# Altium PCB FPGA_Module.PcbDoc (part 3 of 6) (continued)
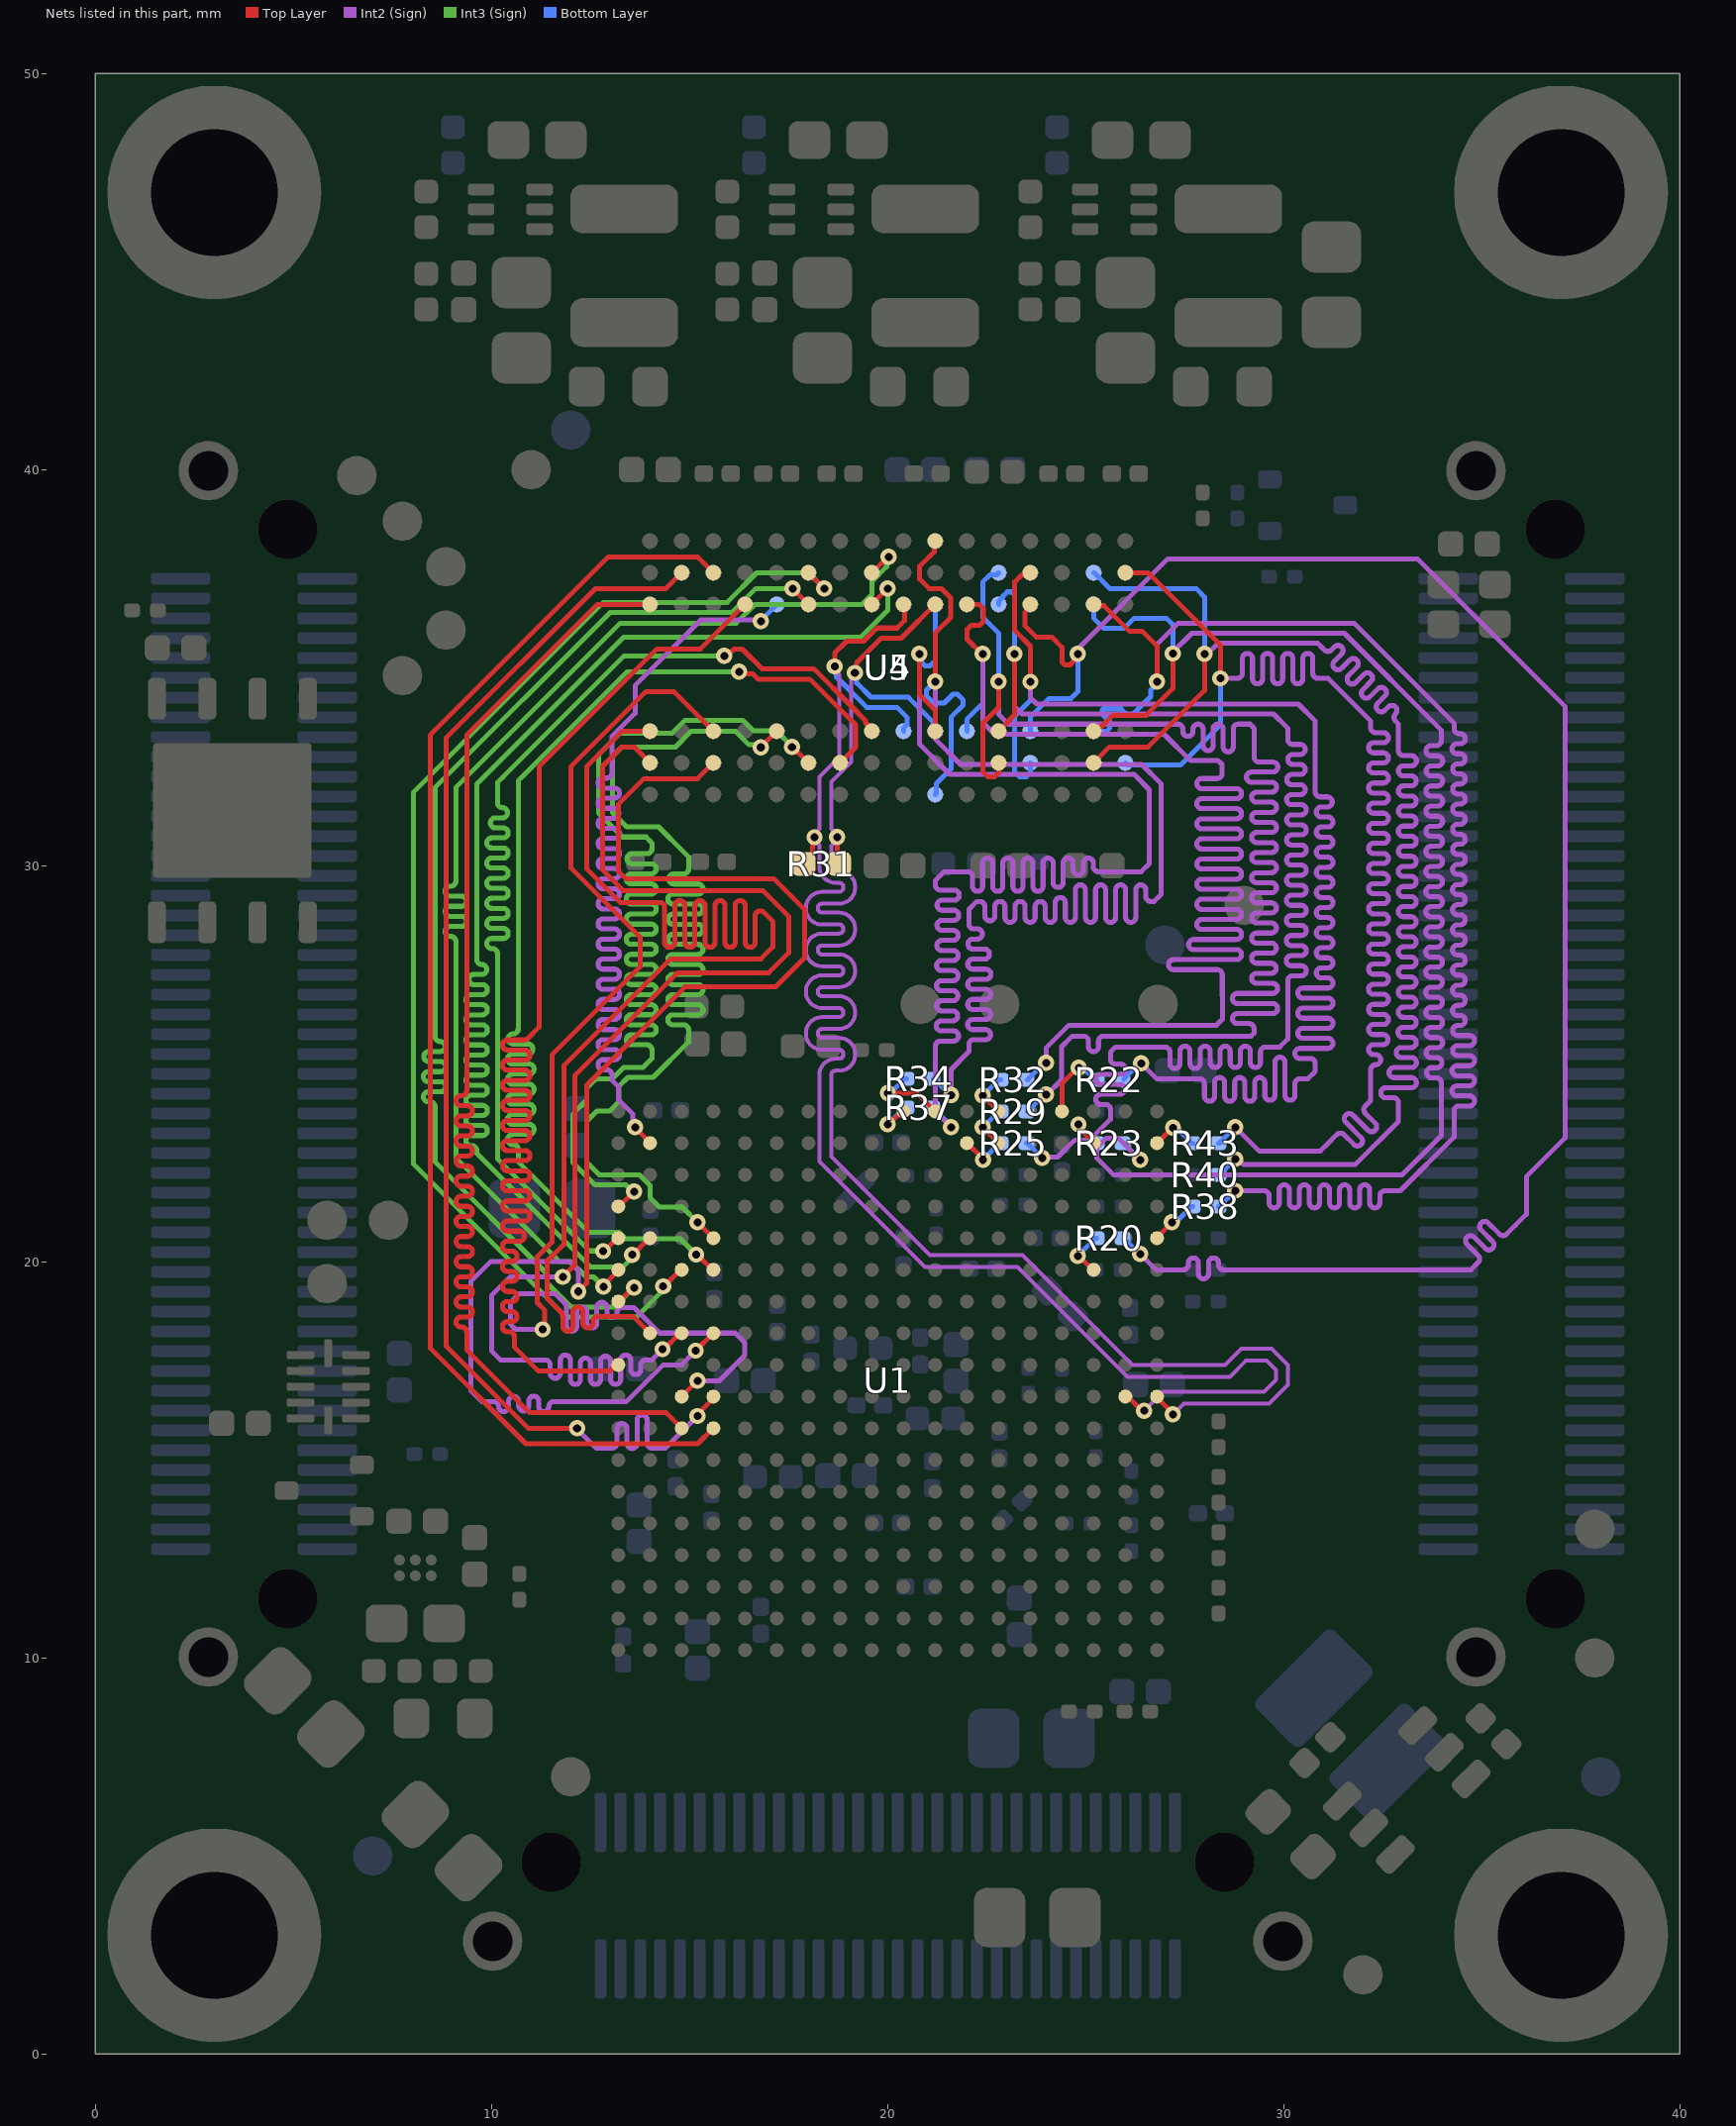
[diagram p7: the nets of this part, all layers, seen from the top]
## Nets (pads, with @x,y where several pads share a name; then routed paths per layer and width w, separated by ;. In a path a pad name is that pad's centre, name@x,y a point inside that pad or via, vN(x,y) a via of type N, cw(c..) or ccw(c..) an arc to the next point about the centre after c; other vN are vias at no path point) (continued)
  Bottom Layer w0.127: U5.N8@23.6,32.6 23.6,32.35 23.5,32.25 23.325,32.25 23.21,32.365 23.21,33.785 23.602,34.177 v1(23.602,34.648) ; R22.2@25.963,24.613 v1@26.375,25.025
DDR3_BA2: R25.1 U1.M17 | length 1.2
  Top Layer w0.127: U1.M17@22,23 22.007,23 22.408,22.599 v1(22.408,22.578)
  Bottom Layer w0.127: v1(22.408,22.578) 22.408,22.581 22.827,23 R25.1@22.85,23
DDR3_BA2_T: R25.2 U4.M3 U5.M3 | length 45.4
  Top Layer w0.127: U4.M3@22.8,33.4 23.207,33.807 23.207,35.343 v1(23.2,35.35)
  Int2 (Sign) w0.127: v1(23.2,35.35) 23.2,34.025 23.394,33.831 29.744,33.831 30.075,33.5 30.1,33.475 30.1,33.192 ccw(c30.227,33.192) 30.227,33.065 30.414,33.065 cw(c30.414,32.938) 30.414,32.811 30.23,32.811 ccw(c30.23,32.684) 30.23,32.557 30.414,32.557 cw(c30.414,32.43) 30.414,32.303 30.201,32.303 ccw(c30.201,32.176) 30.201,32.049 30.414,32.049 cw(c30.414,31.922) 30.414,31.795 30.2,31.795 ccw(c30.2,31.668) 30.2,31.541 30.441,31.541 cw(c30.441,31.414) 30.441,31.287 30.2,31.287 ccw(c30.2,31.16) 30.2,31.033 30.441,31.033 cw(c30.441,30.906) 30.441,30.779 30.199,30.779 ccw(c30.199,30.652) 30.199,30.525 30.441,30.525 cw(c30.441,30.398) 30.441,30.271 30.197,30.271 ccw(c30.197,30.144) 30.197,30.017 30.441,30.017 cw(c30.441,29.89) 30.441,29.763 30.196,29.763 ccw(c30.196,29.636) 30.196,29.509 30.441,29.509 cw(c30.441,29.382) 30.441,29.255 30.195,29.255 ccw(c30.195,29.128) 30.195,29.001 30.441,29.001 cw(c30.441,28.874) 30.441,28.747 30.193,28.747 ccw(c30.193,28.62) 30.193,28.493 30.441,28.493 cw(c30.441,28.366) 30.441,28.239 30.192,28.239 ccw(c30.192,28.112) 30.192,27.985 30.441,27.985 cw(c30.441,27.858) 30.441,27.731 30.19,27.731 ccw(c30.19,27.604) 30.19,27.477 30.441,27.477 cw(c30.441,27.35) 30.441,27.223 30.227,27.223 ccw(c30.227,27.096) 30.1,27.096 30.1,25.762 30.1,25.625 29.9,25.425 29.85,25.425 29.538,25.425 ccw(c29.538,25.298) 29.411,25.298 29.411,25.033 cw(c29.284,25.033) 29.157,25.033 29.157,25.319 ccw(c29.03,25.319) 28.903,25.319 28.903,25.033 cw(c28.776,25.033) 28.649,25.033 28.649,25.319 ccw(c28.522,25.319) 28.395,25.319 28.395,25.033 cw(c28.268,25.033) 28.141,25.033 28.141,25.319 ccw(c28.014,25.319) 27.887,25.319 27.887,25.006 cw(c27.76,25.006) 27.633,25.006 27.633,25.319 ccw(c27.506,25.319) 27.379,25.319 27.379,25.006 cw(c27.252,25.006) 27.125,25.006 27.125,25.298 ccw(c26.998,25.298) 26.998,25.425 26.68,25.425 25.75,25.425 25.662,25.337 25.625,25.3 25.625,25.118 ccw(c25.752,25.118) 25.752,24.991 25.88,24.991 cw(c25.88,24.864) 25.88,24.737 25.38,24.737 ccw(c25.38,24.61) 25.38,24.483 25.854,24.483 cw(c25.854,24.356) 25.854,24.229 25.38,24.229 ccw(c25.38,24.102) 25.38,23.975 25.498,23.975 cw(c25.498,23.848) 25.625,23.848 25.625,23.784 25.625,23.6 25.1,23.075 24.725,23.075 24.294,22.644 23.919,22.644 v1(23.9,22.625)
  Bottom Layer w0.127: U5.M3@22.8,36.6 22.8,36.674 22.902,36.776 22.902,36.796 23.02,36.914 23.126,36.914 23.2,36.84 v1(23.2,35.35) ; R25.2@23.509,23 23.525,23 v1(23.9,22.625)
DDR3_CAS: R37.1 U1.K18 | length 1.2
  Top Layer w0.127: v1(20,23.475) 20.038,23.475 20.363,23.8 U1.K18@20.4,23.8
  Bottom Layer w0.127: v1(20,23.475) 20.012,23.475 20.438,23.9 R37.1@20.475,23.9
DDR3_CAS_T: R37.2 U4.K3 U5.K3 | length 42.1
  Top Layer w0.127: v1(20.8,35.35) 20.8,34.325 21.2,33.925 U4.K3@21.2,33.4
  Int2 (Sign) w0.127: v1(20.8,35.35) 20.8,33.075 21.568,32.307 26.22,32.307 26.604,31.923 26.604,30.054 26.4,29.85 25.81,29.85 25.32,29.85 cw(c25.32,29.977) 25.193,29.977 25.193,30.069 ccw(c25.066,30.069) 24.939,30.069 24.939,29.898 cw(c24.812,29.898) 24.685,29.898 24.685,30.069 ccw(c24.558,30.069) 24.431,30.069 24.431,29.58 cw(c24.304,29.58) 24.177,29.58 24.177,30.069 ccw(c24.05,30.069) 23.923,30.069 23.923,29.481 cw(c23.796,29.481) 23.669,29.481 23.669,30.069 ccw(c23.542,30.069) 23.415,30.069 23.415,29.481 cw(c23.288,29.481) 23.161,29.481 23.161,30.069 ccw(c23.034,30.069) 22.907,30.069 22.907,29.481 cw(c22.78,29.481) 22.653,29.481 22.653,30.069 ccw(c22.526,30.069) 22.399,30.069 22.399,29.481 cw(c22.272,29.481) 22.145,29.481 22.145,29.723 ccw(c22.018,29.723) 22.018,29.85 21.7,29.85 21.425,29.85 21.325,29.75 21.208,29.633 21.208,29.513 ccw(c21.335,29.513) 21.335,29.386 21.681,29.386 cw(c21.681,29.259) 21.681,29.132 21.376,29.132 ccw(c21.376,29.005) 21.376,28.878 21.669,28.878 cw(c21.669,28.751) 21.669,28.624 21.372,28.624 ccw(c21.372,28.497) 21.372,28.37 21.653,28.37 cw(c21.653,28.243) 21.653,28.116 21.368,28.116 ccw(c21.368,27.989) 21.368,27.862 21.653,27.862 cw(c21.653,27.735) 21.653,27.608 21.362,27.608 ccw(c21.362,27.481) 21.362,27.354 21.653,27.354 cw(c21.653,27.227) 21.653,27.1 21.36,27.1 ccw(c21.36,26.973) 21.36,26.846 21.649,26.846 cw(c21.649,26.719) 21.649,26.592 21.36,26.592 ccw(c21.36,26.465) 21.36,26.338 21.644,26.338 cw(c21.644,26.211) 21.644,26.084 21.354,26.084 ccw(c21.354,25.957) 21.354,25.83 21.664,25.83 cw(c21.664,25.703) 21.664,25.576 21.335,25.576 ccw(c21.335,25.449) 21.208,25.449 21.208,24.115 21.208,23.792 v1(21.6,23.4)
  Bottom Layer w0.127: v1(20.8,35.35) 20.853,35.297 20.853,35.135 20.945,35.044 21.069,35.044 21.2,35.175 U5.K3@21.2,36.6 ; R37.2@21.163,23.9 21.158,23.9 21.158,23.879 21.6,23.437 v1(21.6,23.4) v1@21.575,23.4
DDR3_CKE: R34.1 U1.L18 | length 2
  Top Layer w0.127: v1(20.002,24.261) 20.739,24.261 U1.L18@21.2,23.8
  Bottom Layer w0.127: v1(20.002,24.261) 20.073,24.261 20.437,24.625 R34.1@20.475,24.625
DDR3_CKE_T: R34.2 U4.K9 U5.K9 | length 44.8
  Top Layer w0.127: v1(21.2,34.65) 21.2,35.875 21.59,36.266 21.59,36.762 21.352,37 21.048,37 20.809,37.238 20.809,37.562 21.038,37.79 21.04,37.79 21.176,37.926 21.176,38.176 U4.K9@21.2,38.2
  Int2 (Sign) w0.127: v1(21.2,34.65) 21.2,33.2 21.839,32.561 26.414,32.561 26.908,32.067 26.908,29.283 26.867,29.242 26.725,29.1 26.645,29.1 cw(c26.645,29.227) 26.518,29.227 26.518,29.39 ccw(c26.391,29.39) 26.264,29.39 26.264,28.698 cw(c26.137,28.698) 26.01,28.698 26.01,29.39 ccw(c25.883,29.39) 25.756,29.39 25.756,28.698 cw(c25.629,28.698) 25.502,28.698 25.502,29.39 ccw(c25.375,29.39) 25.248,29.39 25.248,28.698 cw(c25.121,28.698) 24.994,28.698 24.994,29.39 ccw(c24.867,29.39) 24.74,29.39 24.74,28.698 cw(c24.613,28.698) 24.486,28.698 24.486,29.072 ccw(c24.359,29.072) 24.232,29.072 24.232,28.698 cw(c24.105,28.698) 23.978,28.698 23.978,28.973 ccw(c23.851,28.973) 23.724,28.973 23.724,28.698 cw(c23.597,28.698) 23.47,28.698 23.47,28.973 ccw(c23.343,28.973) 23.216,28.973 23.216,28.698 cw(c23.089,28.698) 22.962,28.698 22.962,28.973 ccw(c22.835,28.973) 22.708,28.973 22.708,28.737 cw(c22.581,28.737) 22.454,28.737 22.454,28.973 ccw(c22.327,28.973) 22.327,29.1 22.25,29.1 22.073,28.923 22.05,28.9 22.05,28.833 22.05,28.532 ccw(c22.177,28.532) 22.177,28.405 22.264,28.405 cw(c22.264,28.278) 22.264,28.151 22.154,28.151 ccw(c22.154,28.024) 22.154,27.897 22.444,27.897 cw(c22.444,27.77) 22.444,27.643 22.15,27.643 ccw(c22.15,27.516) 22.15,27.389 22.481,27.389 cw(c22.481,27.262) 22.481,27.135 22.15,27.135 ccw(c22.15,27.008) 22.15,26.881 22.473,26.881 cw(c22.473,26.754) 22.473,26.627 22.149,26.627 ccw(c22.149,26.5) 22.149,26.373 22.472,26.373 cw(c22.472,26.246) 22.472,26.119 22.147,26.119 ccw(c22.147,25.992) 22.147,25.865 22.472,25.865 cw(c22.472,25.738) 22.472,25.611 22.177,25.611 ccw(c22.177,25.484) 22.05,25.484 22.05,25.307 21.602,24.859 21.602,24.658 v1(21.602,24.211)
  Bottom Layer w0.127: R34.2@21.158,24.625 21.163,24.625 21.577,24.211 v1(21.602,24.211) ; U5.K9@21.2,31.8 21.226,31.827 21.226,32.072 21.6,32.445 21.6,33.75 21.908,34.058 21.908,34.185 21.759,34.334 21.654,34.334 21.428,34.107 21.161,34.107 20.981,34.287 20.981,34.431 v1(21.2,34.65)
DDR3_CLK_N: R31.1 U1.V9 U4.K7 U5.K7 | length 43.9
  Top Layer w0.127: v1(18.725,30.725) 18.725,30.1 R31.1@18.775,30.05 ; v1(19.172,34.869) 19.219,34.916 19.219,35.126 19.837,35.744 20.086,35.744 20.344,35.744 20.419,35.819 U4.K7@21.2,36.6 ; U1.V9@26.8,16.6 26.8,16.575 27.2,16.175 v1(27.2,16.15)
  Int2 (Sign) w0.1: v1(19.172,34.869) 19.172,34.786 19.075,34.689 19.075,32.621 18.575,32.121 18.575,30.937 18.725,30.787 18.725,30.663 18.575,30.513 18.575,30.183 18.575,29.983 ccw(c18.688,29.983) 18.688,29.87 18.77,29.87 cw(c18.77,29.456) 18.77,29.043 18.349,29.043 ccw(c18.349,28.929) 18.349,28.816 18.77,28.816 cw(c18.77,28.402) 18.77,27.989 18.349,27.989 ccw(c18.349,27.875) 18.349,27.762 18.77,27.762 cw(c18.77,27.348) 18.77,26.935 18.349,26.935 ccw(c18.349,26.821) 18.349,26.708 18.77,26.708 cw(c18.77,26.294) 18.77,25.881 18.349,25.881 ccw(c18.349,25.767) 18.349,25.654 18.77,25.654 cw(c18.77,25.24) 18.77,24.827 18.688,24.827 ccw(c18.688,24.713) 18.575,24.713 18.575,22.661 19.043,22.193 21.061,20.175 23.399,20.175 26.174,17.4 28.516,17.4 28.924,17.808 29.692,17.808 30.1,17.4 30.1,16.9 29.626,16.426 29.504,16.426 29.503,16.425 27.475,16.425 v1(27.2,16.15)
  Bottom Layer w0.127: v1(19.172,34.869) 19.22,34.821 19.22,34.614 19.578,34.256 20.237,34.256 20.344,34.256 20.345,34.255 20.523,34.255 21.148,33.63 21.148,33.452 U5.K7@21.2,33.4
DDR3_CLK_P: R31.2 U1.U9 U4.J7 U5.J7 | length 44.5
  Top Layer w0.127: R31.2@17.875,30.05 17.875,30.097 18.1,30.322 18.1,30.669 v1(18.153,30.722) ; v1(18.664,35.031) 18.664,35.368 18.966,35.67 19.399,35.67 19.73,36.001 20.237,36.001 20.424,36.188 20.424,36.576 U4.J7@20.4,36.6 ; U1.U9@26,16.6 26.058,16.6 26.417,16.241 v1(26.475,16.241)
  Int2 (Sign) w0.1: v1(18.153,30.722) 18.153,30.639 18.275,30.518 18.275,30.183 18.275,29.983 ccw(c18.688,29.983) 18.688,29.57 18.77,29.57 cw(c18.77,29.456) 18.77,29.343 18.349,29.343 ccw(c18.349,28.929) 18.349,28.516 18.77,28.516 cw(c18.77,28.402) 18.77,28.289 18.349,28.289 ccw(c18.349,27.875) 18.349,27.462 18.77,27.462 cw(c18.77,27.348) 18.77,27.235 18.349,27.235 ccw(c18.349,26.821) 18.349,26.408 18.77,26.408 cw(c18.77,26.294) 18.77,26.181 18.349,26.181 ccw(c18.349,25.767) 18.349,25.354 18.77,25.354 cw(c18.77,25.24) 18.77,25.127 18.688,25.127 ccw(c18.688,24.713) 18.275,24.713 18.275,22.537 18.619,22.193 20.937,19.875 23.275,19.875 26.05,17.1 28.64,17.1 29.048,17.508 29.568,17.508 29.8,17.276 29.8,17.024 29.502,16.726 26.96,16.726 v1(26.475,16.241) ; v1@18.173,30.722 18.173,30.825 18.275,30.927 18.275,32.245 18.775,32.745 18.775,34.837 18.664,34.948 v1(18.664,35.031)
  Bottom Layer w0.127: v1(18.664,35.031) 18.703,34.991 18.703,34.768 19.472,33.999 19.695,33.999 20.237,33.999 20.487,33.749 20.487,33.561 20.4,33.474 U5.J7@20.4,33.4
DDR3_D0: U1.D14 U4.E3 | length 33.7
  Top Layer w0.127: v1(15.2,21) U1.D14@15.562,20.638 ; v1@16.8,33 U4.E3@17.2,33.4
  Int3 (Sign) w0.127: v1(15.2,21) 14.819,21.381 14.237,21.381 14,21.618 14,21.932 13.732,22.2 13.375,22.2 12.718,22.2 12.406,22.512 12.406,23.556 12.654,23.803 12.978,23.803 13.213,24.038 13.213,24.426 13.443,24.656 14.081,24.656 14.975,25.55 14.975,25.794 14.975,25.857 ccw(c14.848,25.857) 14.848,25.984 14.578,25.984 cw(c14.578,26.111) 14.578,26.238 15.212,26.238 ccw(c15.212,26.365) 15.212,26.492 14.578,26.492 cw(c14.578,26.619) 14.578,26.746 15.212,26.746 ccw(c15.212,26.873) 15.212,27 14.578,27 cw(c14.578,27.127) 14.578,27.254 15.212,27.254 ccw(c15.212,27.381) 15.212,27.508 14.578,27.508 cw(c14.578,27.635) 14.578,27.762 15.212,27.762 ccw(c15.212,27.889) 15.212,28.016 14.578,28.016 cw(c14.578,28.143) 14.578,28.27 15.212,28.27 ccw(c15.212,28.397) 15.212,28.524 14.578,28.524 cw(c14.578,28.651) 14.578,28.778 15.212,28.778 ccw(c15.212,28.905) 15.212,29.032 14.578,29.032 cw(c14.578,29.159) 14.578,29.286 15.212,29.286 ccw(c15.212,29.413) 15.212,29.54 14.601,29.54 cw(c14.601,29.667) 14.601,29.794 14.848,29.794 ccw(c14.848,29.921) 14.975,29.921 14.975,30.225 14.858,30.342 14.219,30.981 13.412,30.981 13.05,31.343 13.05,31.825 13.05,32.757 13.29,32.997 14.64,32.997 15.037,33.394 16.161,33.394 16.501,33.053 16.747,33.053 v1@16.8,33
  other v1: 16.797,32.99
DDR3_D1: U1.A12 U4.F7 | length 31.1
  Top Layer w0.127: U1.A12@13.213,19.038 13.263,19.038 13.575,19.35 v1(13.6,19.35) ; v1(17.6,37) U4.F7@18,36.6
  Int3 (Sign) w0.127: v1(13.6,19.35) 13.107,18.857 12.005,18.857 11.406,19.455 11.406,19.694 8.575,22.525 8.575,23.85 8.575,23.913 ccw(c8.448,23.913) 8.448,24.04 8.406,24.04 cw(c8.406,24.167) 8.406,24.294 8.719,24.294 ccw(c8.719,24.421) 8.719,24.548 8.406,24.548 cw(c8.406,24.675) 8.406,24.802 8.719,24.802 ccw(c8.719,24.929) 8.719,25.056 8.417,25.056 cw(c8.417,25.183) 8.417,25.31 8.702,25.31 ccw(c8.702,25.437) 8.702,25.564 cw(c8.702,25.691) 8.575,25.691 8.575,27.275 8.575,31.975 12.996,36.396 16.071,36.396 16.675,37 v1(17.6,37)
DDR3_D2: U1.A15 U4.F2 | length 33.8
  Top Layer w0.127: U1.A15@13.162,21.438 13.263,21.438 v1(13.6,21.775) ; v1@17.587,33.004 17.592,33.004 17.996,32.6 U4.F2@18,32.6
  Int3 (Sign) w0.127: v1(13.6,21.775) 13.557,21.775 13.386,21.946 12.613,21.946 12.05,22.509 12.05,23.725 12.406,24.081 12.406,24.388 12.637,24.619 13.047,24.619 13.338,24.91 13.826,24.91 14.05,25.134 14.05,25.288 14.05,25.351 ccw(c13.923,25.351) 13.923,25.478 13.529,25.478 cw(c13.529,25.605) 13.529,25.732 14.032,25.732 ccw(c14.032,25.859) 14.032,25.986 13.529,25.986 cw(c13.529,26.113) 13.529,26.24 14.032,26.24 ccw(c14.032,26.367) 14.032,26.494 13.529,26.494 cw(c13.529,26.621) 13.529,26.748 14.032,26.748 ccw(c14.032,26.875) 14.032,27.002 13.529,27.002 cw(c13.529,27.129) 13.529,27.256 14.032,27.256 ccw(c14.032,27.383) 14.032,27.51 13.529,27.51 cw(c13.529,27.637) 13.529,27.764 14.032,27.764 ccw(c14.032,27.891) 14.032,28.018 13.529,28.018 cw(c13.529,28.145) 13.529,28.272 14.032,28.272 ccw(c14.032,28.399) 14.032,28.526 13.529,28.526 cw(c13.529,28.653) 13.529,28.78 14.032,28.78 ccw(c14.032,28.907) 14.032,29.034 13.529,29.034 cw(c13.529,29.161) 13.529,29.288 14.032,29.288 ccw(c14.032,29.415) 14.032,29.542 13.529,29.542 cw(c13.529,29.669) 13.529,29.796 14.032,29.796 ccw(c14.032,29.923) 14.032,30.05 13.548,30.05 cw(c13.548,30.177) 13.548,30.304 13.923,30.304 ccw(c13.923,30.431) 14.05,30.431 14.05,30.575 13.998,30.627 13.898,30.727 13.307,30.727 12.7,31.334 12.7,32.801 13.25,33.351 14.562,33.351 14.887,33.675 16.342,33.675 16.611,33.406 17.194,33.406 17.587,33.013 v1@17.587,33.004
  other v1: 17.585,33
DDR3_D3: U1.C13 U4.F8 | length 31.7
  Top Layer w0.127: v1(14.333,19.38) 14.356,19.38 14.762,19.786 U1.C13@14.762,19.812 ; U4.F8@18,37.4 v1(18.4,37)
  Int3 (Sign) w0.127: v1(14.333,19.38) 14.333,19.304 14.275,19.247 14.275,19.225 13.653,18.603 11.899,18.603 8.025,22.477 8.025,31.85 12.825,36.65 15.95,36.65 16.694,37.394 18.006,37.394 v1(18.4,37)
DDR3_D4: U1.A14 U4.H3 | length 31.2
  Top Layer w0.127: v1(12.817,20.27) 12.844,20.27 13.162,20.589 U1.A14@13.162,20.638 ; v1(15.875,35.3) 15.951,35.3 16.121,35.47 16.332,35.47 16.827,34.975 18.134,34.975 19.065,34.045 19.067,34.045 19.445,33.667 19.445,33.611 19.6,33.455 U4.H3@19.6,33.4
  Int3 (Sign) w0.127: v1(12.817,20.27) 12.811,20.276 12.474,20.276 10.15,22.6 10.15,27.719 10.15,27.782 ccw(c10.023,27.782) 10.023,27.909 10.006,27.909 cw(c10.006,28.036) 10.006,28.163 10.294,28.163 ccw(c10.294,28.29) 10.294,28.417 10.006,28.417 cw(c10.006,28.544) 10.006,28.671 10.294,28.671 ccw(c10.294,28.798) 10.294,28.925 10.006,28.925 cw(c10.006,29.052) 10.006,29.179 10.294,29.179 ccw(c10.294,29.306) 10.294,29.433 10.006,29.433 cw(c10.006,29.56) 10.006,29.687 10.294,29.687 ccw(c10.294,29.814) 10.294,29.941 10.006,29.941 cw(c10.006,30.068) 10.006,30.195 10.294,30.195 ccw(c10.294,30.322) 10.294,30.449 10.006,30.449 cw(c10.006,30.576) 10.006,30.703 10.294,30.703 ccw(c10.294,30.83) 10.294,30.957 10.098,30.957 cw(c10.098,31.084) 10.098,31.211 10.277,31.211 ccw(c10.277,31.338) 10.277,31.465 cw(c10.277,31.592) 10.15,31.592 10.15,32.103 10.285,32.238 13.347,35.3 v1(15.875,35.3)
DDR3_D5: U1.A13 U4.H8 | length 31.2
  Top Layer w0.127: v1(12.825,19.375) 12.825,19.4 13.162,19.737 U1.A13@13.162,19.762 ; U4.H8@19.6,37.4 19.612,37.4 20.012,37.8 v1(20.025,37.8)
  Int3 (Sign) w0.127: v1(12.825,19.375) 12.579,19.621 12.39,19.621 11.999,20.012 11.713,20.012 9.1,22.625 9.1,28.025 9.1,28.089 ccw(c8.973,28.089) 8.973,28.216 8.956,28.216 cw(c8.956,28.343) 8.956,28.47 9.244,28.47 ccw(c9.244,28.597) 9.244,28.724 8.956,28.724 cw(c8.956,28.851) 8.956,28.978 9.244,28.978 ccw(c9.244,29.105) 9.244,29.232 8.956,29.232 cw(c8.956,29.359) 8.956,29.486 8.973,29.486 ccw(c8.973,29.613) 9.1,29.613 9.1,31.36 9.1,31.975 13.25,36.125 16.175,36.125 16.644,36.594 19.35,36.594 19.606,36.85 19.606,37.181 19.974,37.549 19.974,37.749 v1(20.025,37.8)
DDR3_D6: U1.D13 U4.G2 | length 32.8
  Top Layer w0.127: v1(15.169,20.181) 15.194,20.181 15.537,19.838 U1.D13@15.562,19.838 ; v1(16.25,34.9) 16.303,34.847 16.597,34.847 16.738,34.705 18.045,34.705 18.959,33.791 18.962,33.791 19.191,33.562 19.191,32.991 U4.G2@18.8,32.6
  Int3 (Sign) w0.127: v1(15.169,20.181) 14.769,20.58 13.386,20.58 13.216,20.75 12.45,20.75 10.675,22.525 10.675,22.772 10.675,22.836 ccw(c10.548,22.836) 10.548,22.963 10.531,22.963 cw(c10.531,23.09) 10.531,23.217 10.948,23.217 ccw(c10.948,23.344) 10.948,23.471 10.531,23.471 cw(c10.531,23.598) 10.531,23.725 10.948,23.725 ccw(c10.948,23.852) 10.948,23.979 10.531,23.979 cw(c10.531,24.106) 10.531,24.233 10.948,24.233 ccw(c10.948,24.36) 10.948,24.487 10.531,24.487 cw(c10.531,24.614) 10.531,24.741 10.948,24.741 ccw(c10.948,24.868) 10.948,24.995 10.531,24.995 cw(c10.531,25.122) 10.531,25.249 10.917,25.249 ccw(c10.917,25.376) 10.917,25.503 10.548,25.503 cw(c10.548,25.63) 10.548,25.757 ccw(c10.548,25.884) 10.675,25.884 10.675,26.18 10.675,30.293 10.675,32.15 10.752,32.227 13.425,34.9 v1(16.25,34.9)
DDR3_D7: U1.B14 U4.H7 | length 36
  Top Layer w0.127: v1(13.551,20.179) 13.565,20.179 13.948,20.562 U1.B14@13.962,20.562 ; U4.H7@19.6,36.6 v1(20,37)
  Int3 (Sign) w0.127: v1(13.551,20.179) 13.551,20.103 13.323,19.875 12.495,19.875 9.625,22.745 9.625,22.809 ccw(c9.498,22.809) 9.498,22.936 9.481,22.936 cw(c9.481,23.063) 9.481,23.19 9.769,23.19 ccw(c9.769,23.317) 9.769,23.444 9.481,23.444 cw(c9.481,23.571) 9.481,23.698 9.769,23.698 ccw(c9.769,23.825) 9.769,23.952 9.481,23.952 cw(c9.481,24.079) 9.481,24.206 9.769,24.206 ccw(c9.769,24.333) 9.769,24.46 9.481,24.46 cw(c9.481,24.587) 9.481,24.714 9.769,24.714 ccw(c9.769,24.841) 9.769,24.968 9.481,24.968 cw(c9.481,25.095) 9.481,25.222 9.769,25.222 ccw(c9.769,25.349) 9.769,25.476 9.481,25.476 cw(c9.481,25.603) 9.481,25.73 9.769,25.73 ccw(c9.769,25.857) 9.769,25.984 9.481,25.984 cw(c9.481,26.111) 9.481,26.238 9.769,26.238 ccw(c9.769,26.365) 9.769,26.492 9.481,26.492 cw(c9.481,26.619) 9.481,26.746 9.769,26.746 ccw(c9.769,26.873) 9.769,27 9.552,27 cw(c9.552,27.127) 9.552,27.254 9.752,27.254 ccw(c9.752,27.381) 9.752,27.508 cw(c9.752,27.635) 9.625,27.635 9.625,28.206 9.625,32.061 13.333,35.769 19.325,35.769 20,36.443 v1(20,37)
DDR3_D8: U1.A10 U4.D7 | length 38.9
  Top Layer w0.127: U1.A10@13.2,17.4 13.14,17.4 12.99,17.25 11.175,17.25 10.575,17.85 10.575,18.046 10.575,18.11 ccw(c10.448,18.11) 10.448,18.237 10.402,18.237 cw(c10.402,18.364) 10.402,18.491 10.517,18.491 ccw(c10.517,18.618) 10.517,18.745 10.402,18.745 cw(c10.402,18.872) 10.402,18.999 10.517,18.999 ccw(c10.517,19.126) 10.517,19.253 10.402,19.253 cw(c10.402,19.38) 10.402,19.507 10.517,19.507 ccw(c10.517,19.634) 10.517,19.761 10.402,19.761 cw(c10.402,19.888) 10.402,20.015 10.517,20.015 ccw(c10.517,20.142) 10.517,20.269 10.402,20.269 cw(c10.402,20.396) 10.402,20.523 10.705,20.523 ccw(c10.705,20.65) 10.705,20.777 10.402,20.777 cw(c10.402,20.904) 10.402,21.031 10.844,21.031 ccw(c10.844,21.158) 10.844,21.285 10.402,21.285 cw(c10.402,21.412) 10.402,21.539 10.844,21.539 ccw(c10.844,21.666) 10.844,21.793 10.402,21.793 cw(c10.402,21.92) 10.402,22.047 10.844,22.047 ccw(c10.844,22.174) 10.844,22.301 10.402,22.301 cw(c10.402,22.428) 10.402,22.555 10.844,22.555 ccw(c10.844,22.682) 10.844,22.809 10.402,22.809 cw(c10.402,22.936) 10.402,23.063 10.844,23.063 ccw(c10.844,23.19) 10.844,23.317 10.402,23.317 cw(c10.402,23.444) 10.402,23.571 10.844,23.571 ccw(c10.844,23.698) 10.844,23.825 10.402,23.825 cw(c10.402,23.952) 10.402,24.079 10.844,24.079 ccw(c10.844,24.206) 10.844,24.333 10.402,24.333 cw(c10.402,24.46) 10.402,24.587 10.844,24.587 ccw(c10.844,24.714) 10.844,24.841 10.402,24.841 cw(c10.402,24.968) 10.402,25.095 10.844,25.095 ccw(c10.844,25.222) 10.844,25.349 10.402,25.349 cw(c10.402,25.476) 10.402,25.603 10.825,25.603 ccw(c10.825,25.73) 10.915,25.64 11.2,25.925 11.2,25.932 11.2,32.5 14.175,35.475 15.275,35.475 U4.D7@16.4,36.6
DDR3_D9: U1.C9 U4.C3 | length 33.6
  Top Layer w0.127: v1(11.292,18.294) 11.345,18.348 11.345,18.776 11.152,18.969 11.152,20.124 11.525,20.497 11.525,25.225 13.75,27.45 13.75,28.2 12,29.95 12,32.5 13.9,34.4 14.6,34.4 U4.C3@15.6,33.4 ; U1.C9@14.838,16.638 v1(15.2,17)
  Int2 (Sign) w0.127: v1@11.328,18.33 v1(11.292,18.294) 10.606,18.294 10.475,18.425 10.475,18.975 10.7,19.2 11.453,19.2 11.6,19.2 11.86,18.94 cw(c11.77,18.85) 11.897,18.85 11.897,18.377 ccw(c12.024,18.377) 12.151,18.377 12.151,18.73 cw(c12.278,18.73) 12.405,18.73 12.405,18.458 ccw(c12.532,18.458) 12.659,18.458 12.659,18.85 cw(c12.786,18.85) 12.913,18.85 12.913,18.723 ccw(c13.04,18.723) 13.167,18.723 cw(c13.294,18.723) 13.294,18.85 13.535,18.85 13.593,18.85 14.241,18.202 16.155,18.202 16.394,17.963 16.394,17.637 15.757,17 v1(15.2,17)
DDR3_D10: U1.D8 U4.C8 | length 33
  Top Layer w0.127: U1.D8@15.6,15.8 15.206,15.406 10.869,15.406 8.45,17.825 8.45,33.3 12.95,37.8 15.2,37.8 U4.C8@15.6,37.4
DDR3_D11: U1.D11 U4.C2 | length 37.5
  Top Layer w0.127: v1(12.194,19.251) 12.194,19.258 12.4,19.465 12.4,24.457 14.884,26.941 17.168,26.941 17.9,27.673 17.9,28.9 17.125,29.675 13.389,29.675 13.2,29.864 13.2,31.552 13.848,32.2 15.2,32.2 U4.C2@15.6,32.6 ; v1(15.157,17.757) U1.D11@15.562,18.162
  Int2 (Sign) w0.127: 11.448,16.347 cw(c11.321,16.347) 11.194,16.347 11.194,16.483 ccw(c11.067,16.483) 10.94,16.483 10.94,16.363 cw(c10.813,16.363) 10.686,16.363 10.686,16.475 ccw(c10.559,16.475) 10.432,16.475 10.432,16.348 cw(c10.305,16.348) 10.178,16.348 ccw(c10.051,16.348) 10.051,16.475 9.87,16.475 9.806,16.475 9.75,16.475 9.475,16.75 9.475,19.5 9.987,20.012 11.963,20.012 12.194,19.781 v1(12.194,19.251) ; 11.448,16.348 cw(c11.575,16.348) 11.575,16.475 11.639,16.475 11.69,16.475 11.702,16.475 13.41,16.475 14.335,17.4 14.8,17.4 v1(15.157,17.757)
DDR3_D12: U1.C8 U4.A7 | length 34.8
  Top Layer w0.127: U4.A7@14,36.6 12.675,36.6 9.375,33.3 9.375,25.516 9.375,24.323 cw(c9.248,24.323) 9.248,24.196 9.231,24.196 ccw(c9.231,24.069) 9.231,23.942 9.393,23.942 cw(c9.393,23.815) 9.393,23.688 9.231,23.688 ccw(c9.231,23.561) 9.231,23.434 9.393,23.434 cw(c9.393,23.307) 9.393,23.18 9.231,23.18 ccw(c9.231,23.053) 9.231,22.926 9.393,22.926 cw(c9.393,22.799) 9.393,22.672 9.231,22.672 ccw(c9.231,22.545) 9.231,22.418 9.393,22.418 cw(c9.393,22.291) 9.393,22.164 9.231,22.164 ccw(c9.231,22.037) 9.231,21.91 9.393,21.91 cw(c9.393,21.783) 9.393,21.656 9.231,21.656 ccw(c9.231,21.529) 9.231,21.402 9.393,21.402 cw(c9.393,21.275) 9.393,21.148 9.231,21.148 ccw(c9.231,21.021) 9.231,20.894 9.393,20.894 cw(c9.393,20.767) 9.393,20.64 9.231,20.64 ccw(c9.231,20.513) 9.231,20.386 9.393,20.386 cw(c9.393,20.259) 9.393,20.132 9.231,20.132 ccw(c9.231,20.005) 9.231,19.878 9.393,19.878 cw(c9.393,19.751) 9.393,19.624 9.231,19.624 ccw(c9.231,19.497) 9.231,19.37 9.393,19.37 cw(c9.393,19.243) 9.393,19.116 9.231,19.116 ccw(c9.231,18.989) 9.231,18.862 9.393,18.862 cw(c9.393,18.735) 9.393,18.608 9.231,18.608 ccw(c9.231,18.481) 9.231,18.354 9.248,18.354 cw(c9.248,18.227) 9.375,18.227 9.375,18.163 9.375,17.775 10.95,16.2 14.4,16.2 U1.C8@14.8,15.8
DDR3_D13: U1.C11 U4.A2 | length 35.8
  Top Layer w0.127: v1(11.8,19.618) 12.1,19.918 12.1,24.7 14.7,27.3 17,27.3 17.5,27.8 17.5,28.725 16.85,29.375 13.325,29.375 12.8,29.9 12.8,32.507 13.287,32.994 13.613,32.994 14,32.607 U4.A2@14,32.6 ; v1(14.317,17.793) 14.355,17.793 14.724,18.162 U1.C11@14.762,18.162
  Int2 (Sign) w0.127: v1(11.8,19.618) 11.793,19.625 10.475,19.625 10,19.15 10,17.75 10.051,17.699 10.225,17.525 11.355,17.525 cw(c11.355,17.398) 11.482,17.398 11.482,17.187 ccw(c11.609,17.187) 11.736,17.187 11.736,17.521 cw(c11.863,17.521) 11.99,17.521 11.99,17.033 ccw(c12.117,17.033) 12.244,17.033 12.244,17.443 cw(c12.371,17.443) 12.498,17.443 12.498,17.033 ccw(c12.625,17.033) 12.752,17.033 12.752,17.49 cw(c12.879,17.49) 13.006,17.49 13.006,17.033 ccw(c13.133,17.033) 13.26,17.033 13.26,17.521 cw(c13.387,17.521) 13.514,17.521 13.514,17.281 ccw(c13.641,17.281) 13.768,17.281 13.768,17.398 cw(c13.895,17.398) 13.895,17.525 13.958,17.525 14.049,17.525 v1(14.317,17.793)
DDR3_D14: U1.D9 U4.B8 | length 33.9
  Top Layer w0.127: v1(12.161,15.8) 10.925,15.8 8.85,17.875 8.85,33.225 12.615,36.99 14.391,36.99 U4.B8@14.8,37.4 ; v1(15.2,16.109) 15.2,16.154 15.562,16.517 U1.D9@15.562,16.562
  Int2 (Sign) w0.127: v1(12.161,15.8) 12.161,15.777 12.638,15.3 12.654,15.3 13.04,15.3 ccw(c13.04,15.427) 13.167,15.427 13.167,15.789 cw(c13.294,15.789) 13.421,15.789 13.421,15.415 ccw(c13.548,15.415) 13.675,15.415 13.675,16.011 cw(c13.802,16.011) 13.929,16.011 13.929,15.427 ccw(c14.056,15.427) 14.056,15.3 14.374,15.3 14.391,15.3 v1(15.2,16.109)
DDR3_D15: U1.B11 U4.A3 | length 37.7
  Top Layer w0.127: U1.B11@14,18.2 13.576,18.624 12.753,18.624 12.689,18.624 ccw(c12.689,18.497) 12.562,18.497 12.562,18.457 cw(c12.435,18.457) 12.308,18.457 12.308,18.73 ccw(c12.181,18.73) 12.054,18.73 12.054,18.376 cw(c11.927,18.376) 11.8,18.376 11.8,18.628 ccw(c11.673,18.628) 11.763,18.718 11.434,19.047 11.406,19.075 11.406,20.019 11.825,20.438 11.825,24.95 14.525,27.65 16.8,27.65 17.1,27.95 17.1,28.6 16.975,28.725 16.874,28.826 ccw(c16.784,28.736) 16.657,28.736 16.657,28.067 cw(c16.53,28.067) 16.403,28.067 16.403,28.994 ccw(c16.276,28.994) 16.149,28.994 16.149,28.067 cw(c16.022,28.067) 15.895,28.067 15.895,28.994 ccw(c15.768,28.994) 15.641,28.994 15.641,28.067 cw(c15.514,28.067) 15.387,28.067 15.387,28.994 ccw(c15.26,28.994) 15.133,28.994 15.133,28.067 cw(c15.006,28.067) 14.879,28.067 14.879,28.994 ccw(c14.752,28.994) 14.625,28.994 14.625,28.067 cw(c14.498,28.067) 14.371,28.067 14.371,28.948 ccw(c14.244,28.948) 14.244,29.075 13.755,29.075 13.25,29.075 12.4,29.925 12.4,32.5 13.3,33.4 U4.A3@14,33.4
DDR3_D16: U1.B17 U5.E3 | length 29.1
  Top Layer w0.127: v1(13.625,23.4) 13.625,23.388 13.962,23.05 U1.B17@13.962,23.038
  Int2 (Sign) w0.127: v1(13.625,23.4) 13.572,23.453 13.572,23.728 13.2,24.1 13.2,24.426 13.039,24.587 13.039,24.658 13.039,24.722 ccw(c12.912,24.722) 12.912,24.849 12.817,24.849 cw(c12.817,24.976) 12.817,25.103 13.104,25.103 ccw(c13.104,25.23) 13.104,25.357 12.817,25.357 cw(c12.817,25.484) 12.817,25.611 13.104,25.611 ccw(c13.104,25.738) 13.104,25.865 12.817,25.865 cw(c12.817,25.992) 12.817,26.119 13.104,26.119 ccw(c13.104,26.246) 13.104,26.373 12.817,26.373 cw(c12.817,26.5) 12.817,26.627 13.104,26.627 ccw(c13.104,26.754) 13.104,26.881 12.817,26.881 cw(c12.817,27.008) 12.817,27.135 13.104,27.135 ccw(c13.104,27.262) 13.104,27.389 12.817,27.389 cw(c12.817,27.516) 12.817,27.643 13.104,27.643 ccw(c13.104,27.77) 13.104,27.897 12.817,27.897 cw(c12.817,28.024) 12.817,28.151 13.104,28.151 ccw(c13.104,28.278) 13.104,28.405 12.817,28.405 cw(c12.817,28.532) 12.817,28.659 13.104,28.659 ccw(c13.104,28.786) 13.104,28.913 12.817,28.913 cw(c12.817,29.04) 12.817,29.167 13.104,29.167 ccw(c13.104,29.294) 13.104,29.421 12.817,29.421 cw(c12.817,29.548) 12.817,29.675 13.104,29.675 ccw(c13.104,29.802) 13.104,29.929 12.817,29.929 cw(c12.817,30.056) 12.817,30.183 13.104,30.183 ccw(c13.104,30.31) 13.104,30.437 12.817,30.437 cw(c12.817,30.564) 12.817,30.691 13.104,30.691 ccw(c13.104,30.818) 13.104,30.945 12.817,30.945 cw(c12.817,31.072) 12.817,31.199 13.086,31.199 ccw(c13.086,31.326) 13.086,31.453 12.817,31.453 cw(c12.817,31.58) 12.817,31.707 13.104,31.707 ccw(c13.104,31.834) 13.104,31.961 12.817,31.961 cw(c12.817,32.088) 12.817,32.215 12.912,32.215 ccw(c12.912,32.342) 13.039,32.342 13.039,33.121 13.039,33.264 13.625,33.85 13.625,34.55 15.283,36.208 16.526,36.208 16.528,36.206 16.769,36.206 v1(16.8,36.175)
  Bottom Layer w0.127: v1(16.8,36.175) 16.8,36.188 17.2,36.588 U5.E3@17.2,36.6